# KiCad board OroLink.kicad_pcb
title: Oro Link; date: 2023-03-22; rev: 3; company: Oro Operating System; note: ://oro.sh; note: Joshua Lee Junon
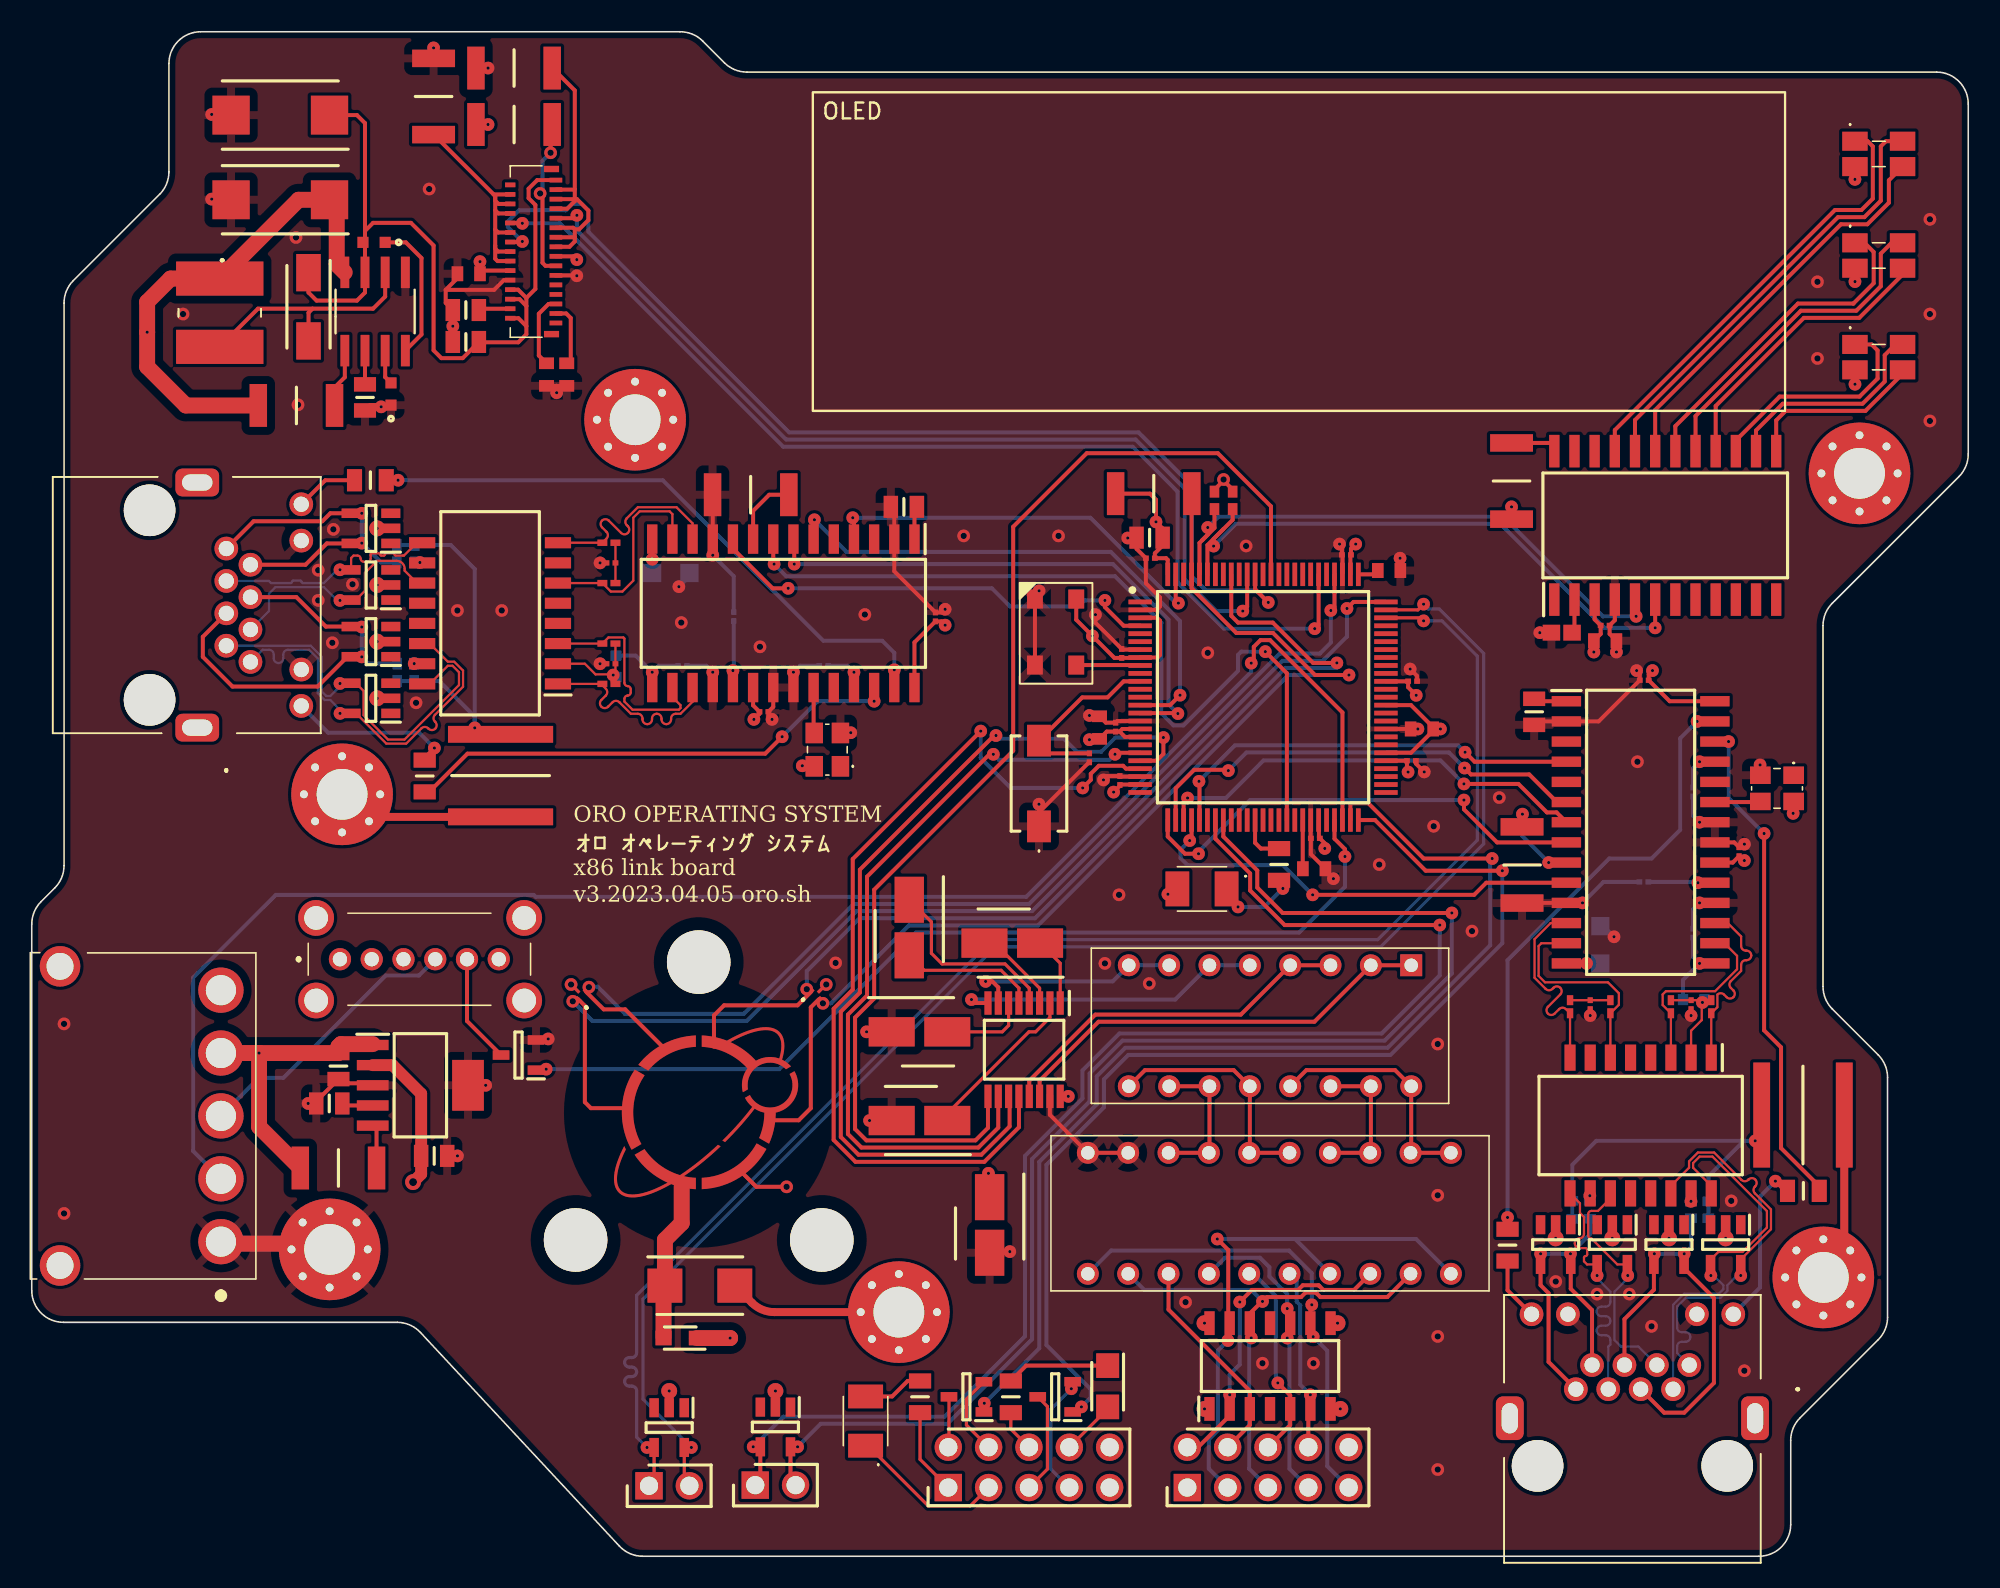
[diagram p0: board, top side]
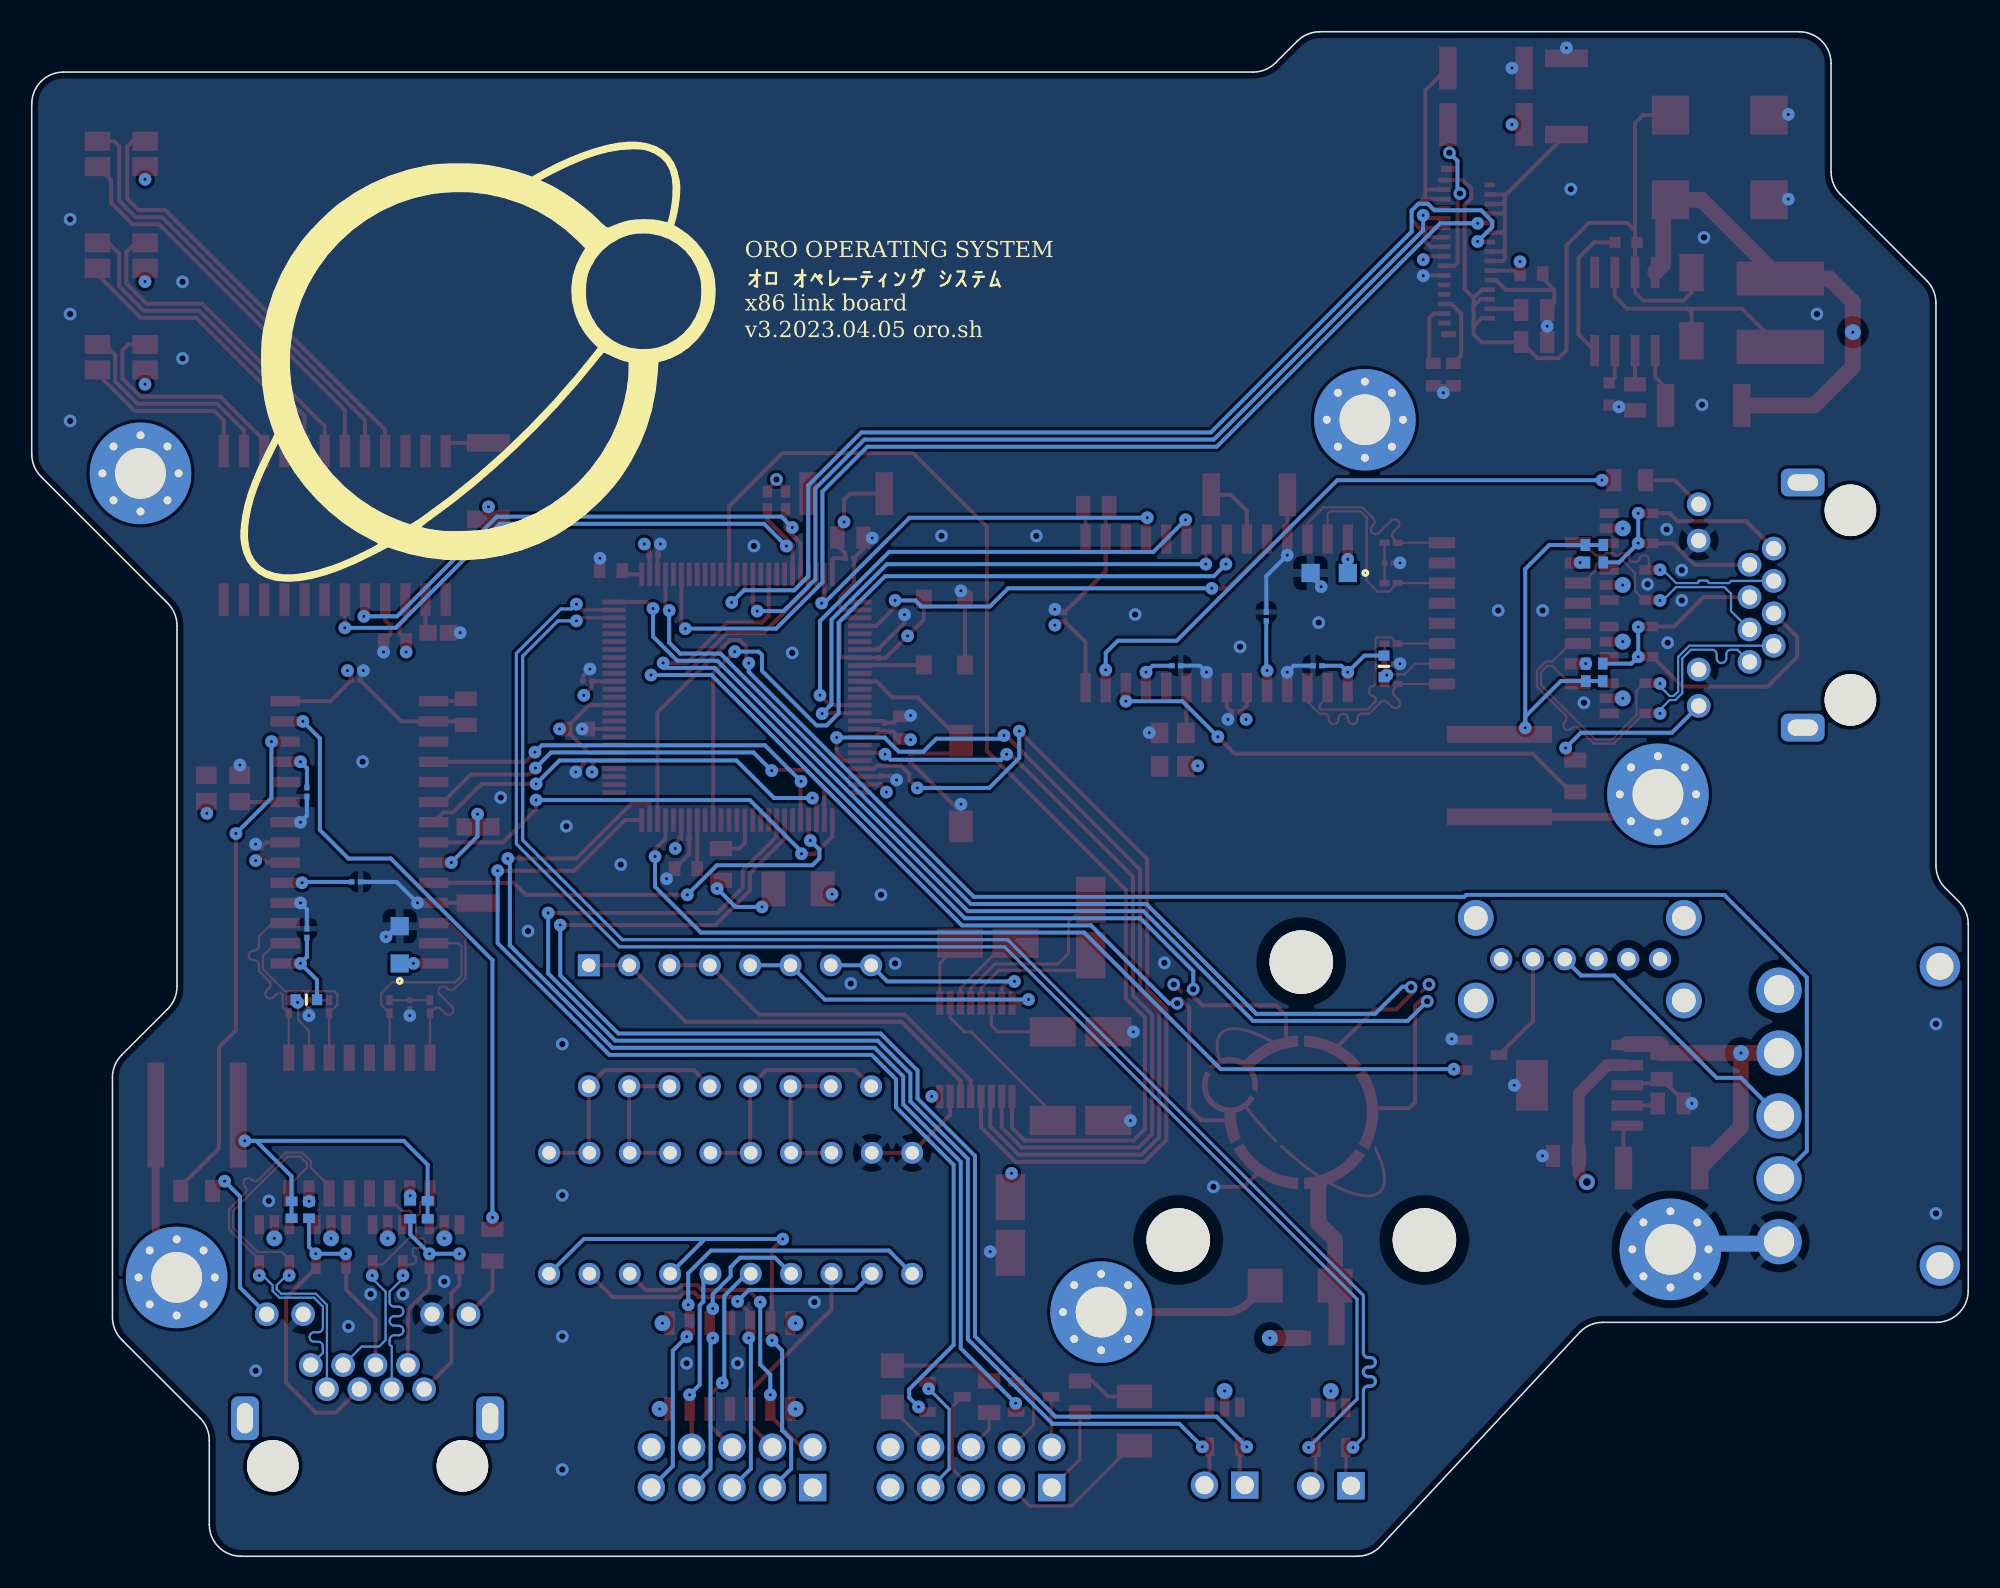
[diagram p1: board, bottom side, seen from below]

Outline 121.92 x 96.01 mm; copper layers: Top, In1.Cu (plane), In2.Cu (plane), Bottom. Coordinates in mm from the lower left corner of the outline.
Outline path: 0,39.81 arc(0.15,40.58) 0.59,41.23 1.45,42.09 arc(1.88,42.74) 2.03,43.5 2.03,78.93 arc(2.18,79.69) 2.62,80.34 8.05,85.77 arc(8.48,86.42) 8.64,87.19 8.64,94.01 arc(9.22,95.43) 10.64,96.01 40.83,96.01 arc(41.59,95.86) 42.24,95.43 43.61,94.06 arc(44.26,93.62) 45.02,93.47 119.92,93.47 arc(121.33,92.89) 121.92,91.47 121.92,69.41 arc(121.77,68.64) 121.33,67.99 113.36,60.02 arc(112.93,59.37) 112.78,58.61 112.78,35.88 arc(112.93,35.12) 113.36,34.47 116.25,31.57 arc(116.69,30.92) 116.84,30.16 116.84,15.05 arc(116.69,14.29) 116.25,13.64 111.33,8.71 arc(110.9,8.06) 110.74,7.3 110.74,2 arc(110.16,0.59) 108.74,0 38.46,0 arc(37.66,0.17) 37,0.64 24.47,14.09 arc(23.8,14.57) 23.01,14.73 2,14.73 arc(0.59,15.32) 0,16.73 0,39.81
Stack: Top 0.035mm / dielectric 0.2104mm FR4 er 4.5 / In1.Cu 0.0152mm / dielectric 1.065mm FR4 er 4.5 / In2.Cu 0.0152mm / dielectric 0.2104mm FR4 er 4.5 / Bottom 0.035mm

## Placement (name value [footprint] x y rotation side)
C1  0.1u  [CAPC0402X22N]  66.59 50.28 270 top
C2  4.7u  [CAPC2012X135N]  70.38 64.15 180 top
C3  2.2u  [CAPC1608X90N]  80.74 43.3 0 top
C4  2.2u  [CAPC1608X90N]  85.46 62.08 0 top
C5  0.1u  [CAPC0402X22N]  70.43 62.86 0 top
C6  0.1u  [CAPC0402X22N]  82.77 63.07 0 top
C7  0.1u  [CAPC0402X22N]  68.62 56.86 270 top
C8  0.1u  [CAPC0402X22N]  68.51 48.85 270 top
C9  0.1u  [CAPC0402X22N]  80.81 45.21 0 top
C10  0.1u  [CAPC0402X22N]  86.94 55.11 180 top
C11  0.1u  [CAPC0402X22N]  86.86 50.1 180 top
C12  2.2u  [CAPC1608X90N]  87.52 52.1 180 top
C13  0.1u  [CAPC0402X22N]  68.24 52.22 270 top
C14  1u  [CAPC1608X90N]  67.22 52.19 270 top
C15  10u  [CAPC2012X135N]  19.31 30.87 270 top
C16  10u  [CAPC2012X135N]  18.73 28.52 0 top
C17  10u  [CAPC2012X135N]  25.33 25.21 180 top
C18  1u  [CAPC1608X90N]  33.68 74.42 90 top
C19  1u  [CAPC1608X90N]  32.41 74.42 90 top
C20  4.7u  [CAPC2012X135N]  27.33 76.48 180 top
C21  1u  [CAPC1608X90N]  27.51 80.77 0 top
C22  4,7u  [CAPC2012X135N]  27.33 78.49 0 top
C23  0.01u  [CAPC2012X75N]  20.98 72.98 90 top
C24  0.047u  [C1608_Commercial_Tight]  21.87 71.9 90 top
C25  0.001u  [C1608_Commercial_Tight]  22.85 82 180 top
C26  33u  [CAPPM7343X310N]  15.65 85.43 180 top
C27  33u  [CAPPM7343X310N]  15.65 90.76 180 top
C28  10u  [CAPC2012X135N]  94.59 53.18 90 top
C29  0.1u  [CAPC0402X22N]  98.12 34.74 270 top
C30  0.1u  [CAPC0402X22N]  104.47 34.74 270 top
C31  1nF 5kV  [CAPC5664X270N]  111.52 27.79 180 top
C32  0.1u  [CAPC0402X22N]  101.52 55.17 180 top
C33  0.1u  [CAPC0402X22N]  104.6 39.24 90 bottom
C34  0.1u  [CAPC0402X22N]  101.5 42.47 180 bottom
C35  0.1u  [CAPC0402X22N]  104.6 48.13 270 bottom
C36  0.1u  [CAPC0402X22N]  107.49 44.37 90 top
C37  10u  [CAPC2012X135N]  54.91 66.09 0 top
C38  0.1u  [CAPC0402X22N]  36.47 62.56 180 top
C39  0.1u  [CAPC0402X22N]  36.47 56.21 180 top
C40  1nF 5kV  [CAPC5664X270N]  29.51 49.17 90 top
C41  0.1u  [CAPC0402X22N]  56.9 59.16 90 top
C42  0.1u  [CAPC0402X22N]  40.97 56.08 0 bottom
C43  0.1u  [CAPC0402X22N]  44.2 59.18 90 bottom
C44  0.1u  [CAPC0402X22N]  49.86 56.08 180 bottom
C45  0.1u  [CAPC0402X22N]  46.1 53.19 0 top
C46  0.1u  [CAPAE430X610N]  61.73 38.62 180 top
C47  0.1u  [CAPAE430X610N]  55.24 39.6 270 top
C48  0.1u  [CAPAE430X610N]  55.89 27.44 180 top
C49  0.1u  [CAPAE430X610N]  60.31 20.86 270 top
C50  0.1u  [CAPAE430X610N]  55.89 33.03 0 top
C51  0.1u  [CAPC0402X22N]  99.06 58.62 0 top
C52  1u  [CAPC1608X90N]  99.06 57.66 180 top
D1  SS12  [DIOM5227X250N]  17.42 78.69 270 top
D2  ESDS302DBVR  [SOT95P280X145-5N]  106.65 19.63 270 top
D3  ESDS302DBVR  [SOT95P280X145-5N]  99.51 19.63 270 top
D4  ESDS302DBVR  [SOT95P280X145-5N]  103.08 19.63 270 top
D5  ESDS302DBVR  [SOT95P280X145-5N]  95.94 19.63 270 top
D6  ESDS302DBVR  [SOT95P280X145-5N]  21.36 54.03 180 top
D7  ESDS302DBVR  [SOT95P280X145-5N]  21.36 61.17 180 top
D8  ESDS302DBVR  [SOT95P280X145-5N]  21.36 57.6 180 top
D9  ESDS302DBVR  [SOT95P280X145-5N]  21.36 64.74 180 top
D10  RFU02VSM8STR  [SODFL2514X80N]  40.83 13.74 180 top
D11  RCLAMP3552T.TNT  [RCLAMP3552TTNT]  34.49 35.48 45 top
D12  P6SMB15A-Q  [DIOM5436X244N]  42.06 17.04 0 top
D13  RCLAMP3552T.TNT  [RCLAMP3552TTNT]  49.47 35.48 315 top
D14  ESDS302DBVR  [SOT95P280X145-5N]  46.82 8.14 270 top
D15  ESDS302DBVR  [SOT95P280X145-5N]  40.13 8.1 270 top
D16  SMDA05C-8.TBT  [SOIC127P600X175-14N]  77.96 11.98 90 top
FB1  CD54NP-180MC  [CD54NP180MC]  11.84 78.32 180 top
FB2  BLM18BB600SZ1D  [BLM18EG121SH1D]  104.63 35.05 0 bottom
FB3  BLM18BB600SZ1D  [BLM18EG121SH1D]  36.78 56.05 270 bottom
G***  -  [LOGO]  93.79 75.21 180 bottom
H1  MountingHole_Pad  [MountingHole_3.2mm_M3_Pad_Via]  115.08 68.2 0 top
H2  MountingHole_Pad  [MountingHole_3.2mm_M3_Pad_Via]  37.99 71.58 0 top
H3  MountingHole_Pad  [MountingHole_3.2mm_M3_Pad_Via]  19.54 47.99 0 top
H4  MountingHole_Pad  [MountingHole_3.2mm_M3_Pad_Via]  112.8 17.56 0 top
H5  MountingHole_Pad  [MountingHole_3.2mm_M3_Pad_Via]  54.59 15.38 0 top
H6  MountingHole_Pad  [MountingHole_3.2mm_M3_Pad_Via]  18.75 19.33 0 top
IC1  STM32F479VGT6  [QFP50P1600X1600X160-100N]  77.52 54.1 0 top
IC2  TPS73733DCQ  [SOT127P706X180-6N]  24.47 29.66 0 top
IC3  TPS6734IDR  [SOIC127P600X175-8N]  21.62 78.39 90 top
IC4  ENC28J60-I_SO  [SOIC127P1030X265-28N]  101.3 45.59 0 top
IC5  ENC28J60-I_SO  [SOIC127P1030X265-28N]  47.32 59.39 270 top
IC6  SN75C3232EPWR  [SOP65P640X120-16N]  62.48 31.9 270 top
IC7  IS31FL3218-GRLS2  [SOIC127P1036X265-24N]  102.84 64.92 90 top
J1  DF63-5P-3.96DS  [DF635P396DS]  11.91 19.81 90 top
J2  67996-110HLF  [HDRV10W67P254_2X5_1270X483X858P]  57.7 4.33 0 top
J3  3-2328724-1  [323287241]  31.6 82.17 90 top
J4  SS-60300-103  [SS60300103]  103.34 10.52 0 top
J5  SS-60300-103  [SS60300103]  12.25 57.34 270 top
J6  OroConn6p  [OroConn6p_WithMounts]  41.99 27.92 0 top
J7  10129378-902003BLF  [HDRV2W67P0X254_1X2_508X241X1082P]  45.55 4.48 0 top
J8  10129378-902003BLF  [HDRV2W67P0X254_1X2_508X241X1082P]  38.86 4.44 0 top
J9  67996-110HLF  [HDRV10W67P254_2X5_1270X483X858P]  72.75 4.33 0 top
LED1  AA3528VRVFS/A  [AA3528VRVFSA]  73.68 42.03 180 top
LED2  AA3528VRVFS/A  [AA3528VRVFSA]  52.5 8.51 90 top
LED3  CLM3C-WKW-CXAYA453  [CLM3CWKWCXAYA453]  67.74 10.71 270 top
LED4  -  [150120M173000]  116.29 88.32 0 top
LED5  -  [150120M173000]  116.29 81.92 0 top
LED6  -  [150120M173000]  116.29 75.52 0 top
Q1  PMV20ENR  [SOT95P230X110-3N]  30.65 31.56 180 top
Q2  PMV20ENR  [SOT95P230X110-3N]  64.43 10.04 180 top
Q3  PMV20ENR  [SOT95P230X110-3N]  58.85 10.04 180 top
R1  4.7k  [RESC1005X40N]  75.61 66.5 270 top
R2  4.7k  [RESC1005X40N]  74.46 66.5 270 top
R3  10k  [RESC5025X65N]  70.64 66.92 0 top
R4  1k  [RESC2012X60N]  78.53 43.57 270 top
R5  10k  [RESC5025X65N]  19.31 24.45 0 top
R6  1k  [RESC2012X60N]  55.93 10.04 270 top
R7  1k  [RESC2012X60N]  61.64 10.04 90 top
R8  10k  [RESC5025X65N]  30.37 93.73 0 top
R9  10k  [RESC5025X65N]  30.37 90.17 180 top
R10  10k  [RESC5025X65N]  25.3 91.94 270 top
R11  10k  [RESC5025X65N]  16.66 72.48 180 top
R12  10k  [RESC5025X65N]  93.83 43.54 90 top
R13  2.32k, <=1%  [ERJP06__0805_]  98.76 38.51 90 bottom
R14  RC1210FR-0749R9L  [RESC0603X26N]  105.74 34.61 90 top
R15  RC1210FR-0749R9L  [RESC0603X26N]  103.2 34.61 90 top
R16  RC1210FR-0749R9L  [RESC0603X26N]  99.39 34.61 90 top
R17  RC1210FR-0749R9L  [RESC0603X26N]  96.85 34.61 90 top
R18  75R  [RESC1005X40N]  97.54 22.39 180 bottom
R19  75R  [RESC1005X40N]  105.01 22.35 0 bottom
R20  75R  [RESC1005X40N]  105.01 21.29 0 bottom
R21  75R  [RESC1005X40N]  97.54 21.25 180 bottom
R22  470R  [RESC2012X60N]  92.91 19.59 90 top
R23  470R  [RESC2012X60N]  111.54 23.01 0 top
R24  10k  [RESC5025X65N]  45.26 66.85 0 top
R25  2.32k, <=1%  [ERJP06__0805_]  40.23 61.93 0 bottom
R26  RC1210FR-0749R9L  [RESC0603X26N]  36.34 54.94 0 top
R27  RC1210FR-0749R9L  [RESC0603X26N]  36.34 57.48 0 top
R28  RC1210FR-0749R9L  [RESC0603X26N]  36.34 61.29 0 top
R29  RC1210FR-0749R9L  [RESC0603X26N]  36.34 63.83 0 top
R30  75R  [RESC1005X40N]  24.11 63.14 90 bottom
R31  75R  [RESC1005X40N]  24.08 55.67 270 bottom
R32  75R  [RESC1005X40N]  23.01 55.67 270 bottom
R33  75R  [RESC1005X40N]  22.98 63.14 90 bottom
R34  470R  [RESC2012X60N]  21.32 67.77 0 top
R35  470R  [RESC2012X60N]  24.74 49.14 270 top
R36  3.3k  [RESC1608X55N]  96.33 58.17 0 top
R37  10k  [RESC5025X65N]  93.17 67.72 90 top
S1  -  [TL6400AF160QJ]  63.41 48.67 90 top
S2  -  [MSS225004]  19.4 37.6 0 top
S3  206-124  [206124]  86.85 37.22 180 top
S4  206-125  [206125]  89.35 17.79 180 top
T1  PT61017XPEL  [SOIC127P930X570-16N]  101.3 27.13 270 top
T2  PT61017XPEL  [SOIC127P930X570-16N]  28.85 59.39 180 top
X1  -  [7P-26.000MBP-T]  66.78 61.3 270 top
Y1  25MHz  [ASE24576MHZLCT]  109.88 48.36 180 top
Y2  25MHz  [ASE24576MHZLCT]  50.09 50.8 90 top

## Library data of the parts
C1 C5-C11 C13 = -: Description: Capacitor Ceramic Multilayer (MLCC); Arrow Part Number: 01016D104KAT2A; Arrow Price/Stock: https://www.arrow.com/en/products/01016d104kat2a/avx; Height: 0.22; Manufacturer_Name: AVX; Manufacturer_Part_Number: 01016D104KAT2A; Mouser Part Number: 581-01016D104KAT2A; Mouser Price/Stock: https://www.mouser.com/Search/Refine.aspx?Keyword=581-01016D104KAT2A
C2 C20 C22 = -: Description: Samsung Electro-Mechanics CL21A475KOFNNNE 4.7uF Ceramic Multilayer Capacitor 16V dc +/-10% Tolerance SMD; Arrow Part Number: CL21A475KOFNNNE; Arrow Price/Stock: https://www.arrow.com/en/products/cl21a475kofnnne/samsung-electro-mechanics?region=europe; Height: 1.35; Manufacturer_Name: SAMSUNG; Manufacturer_Part_Number: CL21A475KOFNNNE; Mouser Part Number: 187-CL21A475KOFNNNE; Mouser Price/Stock: https://www.mouser.co.uk/ProductDetail/Samsung-Electro-Mechanics/CL21A475KOFNNNE?qs=yOVawPpwOwlqsH7zjiqEfQ%3D%3D
C3 C4 C12 = -: Description: Samsung Electro-Mechanics 0603 CL 2.2uF Ceramic Multilayer Capacitor, 10 V, +85C, X5R Dielectric, +/-10% SMD; Arrow Part Number: CL10A225KP8NNNC; Arrow Price/Stock: https://www.arrow.com/en/products/cl10a225kp8nnnc/samsung-electro-mechanics?region=europe; Height: 0.9; Manufacturer_Name: SAMSUNG; Manufacturer_Part_Number: CL10A225KP8NNNC; Mouser Part Number: 187-CL10A225KP8NNNC; Mouser Price/Stock: https://www.mouser.co.uk/ProductDetail/Samsung-Electro-Mechanics/CL10A225KP8NNNC?qs=hqM3L16%252Bxldb5UYUGQVB5Q%3D%3D
C14 C18 C19 C21 C52 = -: Description: AVX 1uF  /-10% 16 V dc X5R Dielectric SMD Ceramic Multilayer Capacitor 0603; Arrow Part Number: 0603YD105KAT2A; Arrow Price/Stock: https://www.arrow.com/en/products/0603yd105kat2a/avx; Height: 0.9; Manufacturer_Name: AVX; Manufacturer_Part_Number: 0603YD105KAT2A; Mouser Part Number: 581-0603YD105K; Mouser Price/Stock: https://www.mouser.co.uk/ProductDetail/AVX/0603YD105KAT2A?qs=Gc704lYbI0yxwip%252B5td8dA%3D%3D
C15-C17 C28 C37 = -: Description: Multilayer Ceramic Capacitors MLCC - SMD/SMT 0805 10VDC 10uF 10% X5R; Height: 1.35; Manufacturer_Name: TAIYO YUDEN; Manufacturer_Part_Number: LMK212ABJ106KG8T; Mouser Part Number: 963-LMK212ABJ106KG8T; Mouser Price/Stock: https://www.mouser.co.uk/ProductDetail/Taiyo-Yuden/LMK212ABJ106KG8T?qs=DPoM0jnrROXr%252BNWMCZEUdQ%3D%3D
C23 = -: Description: Samsung Electro-Mechanics 0805 CL 10nF Ceramic Multilayer Capacitor, 50 V, +125C, X7R Dielectric, +/-10% SMD; Arrow Part Number: CL21B103KBANNNC; Arrow Price/Stock: https://www.arrow.com/en/products/cl21b103kbannnc/samsung-electro-mechanics?region=europe; Height: 0.75; Manufacturer_Name: SAMSUNG; Manufacturer_Part_Number: CL21B103KBANNNC; Mouser Part Number: 187-CL21B103KBANNNC; Mouser Price/Stock: https://www.mouser.co.uk/ProductDetail/Samsung-Electro-Mechanics/CL21B103KBANNNC?qs=349EhDEZ59oTK9iJ%2FqCMuw%3D%3D
C24 = -: Description: MULTILAYER CERAMIC CHIP CAPACITORS, 1608, Commercial grade, general (Up to 75V); Arrow Part Number: C1608X5R1H473K080AA; Arrow Price/Stock: https://www.arrow.com/en/products/c1608x5r1h473k080aa/tdk; Height: 0.9; Manufacturer_Name: TDK; Manufacturer_Part_Number: C1608X5R1H473K080AA; Mouser Part Number: 810-C1608X5R1H473KAA; Mouser Price/Stock: https://www.mouser.com/Search/Refine.aspx?Keyword=810-C1608X5R1H473KAA
C25 = -: Description: MULTILAYER CERAMIC CHIP CAPACITORS, 1608, Commercial grade, general (Up to 75V); Height: 0.9; Manufacturer_Name: TDK; Manufacturer_Part_Number: C1608X5R1H102K080AA; Mouser Part Number: 810-C1608X5R1H102K08
C26 C27 = -: Description: Solid Tantalum Surface Mount Chip Capacitors TANTAMOUNT(TM), Molded Case, Standard Industrial Grade; Arrow Part Number: 293D336X9016C2TE3; Arrow Price/Stock: https://www.arrow.com/en/products/293d336x9016c2te3/vishay; Height: 3.1; Manufacturer_Name: Vishay; Manufacturer_Part_Number: 293D336X0020D2TE3; Mouser Part Number: 74-293D336X9016C2TE3; Mouser Price/Stock: https://www.mouser.co.uk/ProductDetail/Vishay-Sprague/293D336X9016C2TE3?qs=CH3Q5FKf4qDq3CSOTLHRZw%3D%3D
C29 C30 C32-C36 C38 C39 C41-C45 C51 = -: Description: Multilayer Ceramic Capacitors MLCC - SMD/SMT 6.3V .1uF X5R 0101 10%; Arrow Part Number: 01016D104KAT2A; Arrow Price/Stock: https://www.arrow.com/en/products/01016d104kat2a/avx; Height: 0.22; Manufacturer_Name: AVX; Manufacturer_Part_Number: 01016D104KAT2A; Mouser Part Number: 581-01016D104KAT2A; Mouser Price/Stock: https://www.mouser.com/Search/Refine.aspx?Keyword=581-01016D104KAT2A
C31 C40 = -: Description: Multilayer Ceramic Capacitors MLCC - SMD/SMT 1.0nF 5000volts 10% X7R High Voltage; Height: 2.7; Manufacturer_Name: Vishay; Manufacturer_Part_Number: HV2225Y102KXMATHV; Mouser Part Number: 77-HV2225Y102KXMATHV; Mouser Price/Stock: https://www.mouser.com/Search/Refine.aspx?Keyword=77-HV2225Y102KXMATHV
C46-C50 = -: Description: Aluminum Electrolytic Capacitors - SMD 35volts 0.1uF 85c 4X5.8; Arrow Part Number: UUP1H0R1MCL1GS; Arrow Price/Stock: https://www.arrow.com/en/products/uup1h0r1mcl1gs/nichicon?region=nac; Height: 6.1; Manufacturer_Name: Nichicon; Manufacturer_Part_Number: UUP1H0R1MCL1GS; Mouser Part Number: 647-UUP1H0R1MCL1GS; Mouser Price/Stock: https://www.mouser.co.uk/ProductDetail/Nichicon/UUP1H0R1MCL1GS?qs=huzeVNXgovXvQmoxbanaNw%3D%3D
D1 = -: Description: ON Semi SS12 SMT Schottky Diode, 20V 1A, 2-Pin DO-214AC; Arrow Price/Stock: https://www.arrow.com/en/products/ss12/on-semiconductor?region=nac; Height: 2.5; Manufacturer_Name: onsemi; Manufacturer_Part_Number: 821-SS12; Mouser Part Number: 821-SS12; Mouser Price/Stock: https://www.mouser.co.uk/ProductDetail/ON-Semiconductor-Fairchild/SS12?qs=mVVXn4M53U9WoaEpU1CO0A%3D%3D
D2-D9 D14 D15 = -: Description: 3.6V Data-Line Surge and 30kV ESD Protection Diode Array; Arrow Price/Stock: https://www.arrow.com/en/products/esds302dbvr/texas-instruments; Height: 1.45; Manufacturer_Name: Texas Instruments; Mouser Part Number: 595-ESDS302DBVR; Mouser Price/Stock: https://www.mouser.co.uk/ProductDetail/Texas-Instruments/ESDS302DBVR?qs=qSfuJ%252Bfl%2Fd4NxvvS2bbWLw%3D%3D
D10 = -: Description: ROHM 800V 200mA, Diode, 2-Pin TUMD2M RFU02VSM8STR; Arrow Price/Stock: https://www.arrow.com/en/products/rfu02vsm8str/rohm-semiconductor; Height: 0.8; Manufacturer_Name: ROHM Semiconductor; Mouser Part Number: 755-RFU02VSM8STR; Mouser Price/Stock: https://www.mouser.co.uk/ProductDetail/ROHM-Semiconductor/RFU02VSM8STR?qs=R91Bf2XdLdmknCjulGI%252B1w%3D%3D
D11 D13 = -: Description: ESD Suppressors / TVS Diodes 3.5V, 0.4PF, 2 LINE ESD; Arrow Price/Stock: https://www.arrow.com/en/products/rclamp3552t.tnt/semtech?region=nac; Height: 0.43; Manufacturer_Name: SEMTECH; Mouser Part Number: 947-RCLAMP3552T.TNT; Mouser Price/Stock: https://www.mouser.co.uk/ProductDetail/Semtech/RCLAMP3552T.TNT?qs=rBWM4%252BvDhIe%2F%252Bbljv6W6EA%3D%3D
D12 = -: Description: P6SMB-Q Transient Voltage Suppressor Diode Series, Uni-Directional; Height: 2.44; Manufacturer_Name: Bourns; Mouser Part Number: 652-P6SMB15A-Q; Mouser Price/Stock: https://www.mouser.co.uk/ProductDetail/Bourns/P6SMB15A-Q?qs=%252B6g0mu59x7Isw1XY7aXXJQ%3D%3D
D16 = -: Description: ESD Suppressors / TVS Diodes 5V, 8 CHAN, TVS ARRAY; Arrow Price/Stock: https://www.arrow.com/en/products/smda05c-8.tbt/semtech; Height: 1.75; Manufacturer_Name: SEMTECH; Mouser Part Number: 947-SMDA05C-8.TBT; Mouser Price/Stock: https://www.mouser.co.uk/ProductDetail/Semtech/SMDA05C-8.TBT?qs=rBWM4%252BvDhIerSRsNsiY6Ug%3D%3D
FB1 = -: Description: Inductor Power Unshielded Drum Core 18uH 20% 2.52MHz Ferrite 1.23A 150mOhm DCR T/R; Arrow Price/Stock: https://www.arrow.com/en/products/cd54np-180mc/sumida?region=nac; Height: 4.85; Manufacturer_Name: Sumida; Mouser Part Number: 851-CD54NP-180MC; Mouser Price/Stock: https://www.mouser.co.uk/ProductDetail/Sumida/CD54NP-180MC?qs=ttApTud31JY8%252BzOY3leyvw%3D%3D
FB2 FB3 = -: Description: BLM18_Z1D Series EMI Suppression Filter 60+/-25% at 100MHz 600mA @85; Height: 0.95; Manufacturer_Name: Murata Electronics; Mouser Part Number: 81-BLM18BB600SZ1D; Mouser Price/Stock: https://www.mouser.com/Search/Refine.aspx?Keyword=81-BLM18BB600SZ1D
H1-H6 = -: Description: Mounting Hole with connection; Sim.Enable: 0
IC1 = -: Description: ARM Microcontrollers - MCU 16/32-BITS MICROS; Height: 1.6; Manufacturer_Name: STMicroelectronics; Mouser Part Number: 511-STM32F479VGT6; Mouser Price/Stock: https://www.mouser.co.uk/ProductDetail/STMicroelectronics/STM32F479VGT6?qs=o7IDWEFmXKADp8QFprcgSQ%3D%3D
IC2 = -: Description: Single Output LDO, 1A, Adj. (1.2 to 5.0V), Reverse Current Protection; Height: 1.8; Manufacturer_Name: Texas Instruments; Mouser Part Number: 595-TPS73733DCQ; Mouser Price/Stock: https://www.mouser.de/ProductDetail/Texas-Instruments/TPS73733DCQ?qs=pZC5fsuWujEDbxC8pwc3MQ%3D%3D; Note: 5v TO 3.3v
IC3 = -: Description: BOOST-CONVERTER SUPPLY; Arrow Price/Stock: https://www.arrow.com/en/products/tps6734idr/texas-instruments; Manufacturer_Name: Texas Instruments; Mouser Part Number: 595-TPS6734IDR; Mouser Price/Stock: https://www.mouser.co.uk/ProductDetail/Texas-Instruments/TPS6734IDR?qs=bvpNxolhIUOu6nlgqpb6YQ%3D%3D; Note: RM "R" SUFFIX FOR CPT. PART
IC4 IC5 = -: Description: Ethernet Controller, 8 KB RAM, MAC&PHY; Arrow Part Number: ENC28J60-I/SO; Arrow Price/Stock: https://www.arrow.com/en/products/enc28j60-iso/microchip-technology?region=nac; Height: 2.65; Manufacturer_Name: Microchip; Manufacturer_Part_Number: ENC28J60-I/SO; Mouser Part Number: 579-ENC28J60-I/SO; Mouser Price/Stock: https://www.mouser.co.uk/ProductDetail/Microchip-Technology-Atmel/ENC28J60-I-SO?qs=8nGS%2FuaWW3uX0KPZZN505g%3D%3D
IC6 = -: Description: 3-V To 5.5-V Two Channel RS-232 1 Mbit/s Line Driver/Receiver with +/-15 kV IEC ESD Protection; Arrow Price/Stock: https://www.arrow.com/en/products/sn75c3232epwr/texas-instruments; Height: 1.2; Manufacturer_Name: Texas Instruments; Mouser Part Number: 595-SN75C3232EPWR; Mouser Price/Stock: https://www.mouser.com/Search/Refine.aspx?Keyword=595-SN75C3232EPWR
IC7 = -: Description: IC LED DRIVER 18CH CC PWM 24SOIC; Height: 2.65; Manufacturer_Name: Lumissil; Mouser Part Number: 870-IS31FL3218-GRLS2; Mouser Price/Stock: https://www.mouser.de/ProductDetail/Lumissil/IS31FL3218-GRLS2?qs=iHGOLYL7GwC17lH0po6WyQ%3D%3D
J1 = -: Description: Power to the Board; Height: 9.3; Manufacturer_Name: Hirose; Mouser Part Number: 798-DF63-5P-3.96DS; Mouser Price/Stock: https://www.mouser.com/Search/Refine.aspx?Keyword=798-DF63-5P-3.96DS
J2 = -: Description: BergStik, Board to Board connector, Unshrouded vertical header, Through Hole, Double Row, 10 Positions, 2.54 mm (0.100in) Pitch; Arrow Price/Stock: https://www.arrow.com/en/products/67996-110hlf/amphenol-fci?region=nac; Height: 8.58; Manufacturer_Name: Amphenol Communications Solutions; Mouser Part Number: 649-67996-110HLF; Mouser Price/Stock: https://www.mouser.co.uk/ProductDetail/Amphenol-FCI/67996-110HLF?qs=zh4O8xspOuxgf2RA9jR3ZQ%3D%3D; Note: 2x5 TO SYSPW BUS